# Altium PCB KlusterLab r2.0.PcbDoc (part 14 of 22)
Units mm, origin at the board's own origin, x right, y up, seen from the top; angles counter-clockwise.
Board outline 232 x 250 mm, 12 copper layers (L1 Top, L2 Inner1 (GND), L3 Inner2 (Sig), L4 Inner3 (GND), L5 Inner4 (PWR), L6 Inner5 (PWR), L7 Inner6 (PWR), L8 Inner7 (PWR), L9 Inner8 (GND), L10 Inner9 (Sig), L11 Inner10 (GND), L12 Bottom), stack 1.614 mm thick; 1169 components, 852 nets, 4679 pads, 5115 vias.
Unrouted connection lines stored in the file: 1.
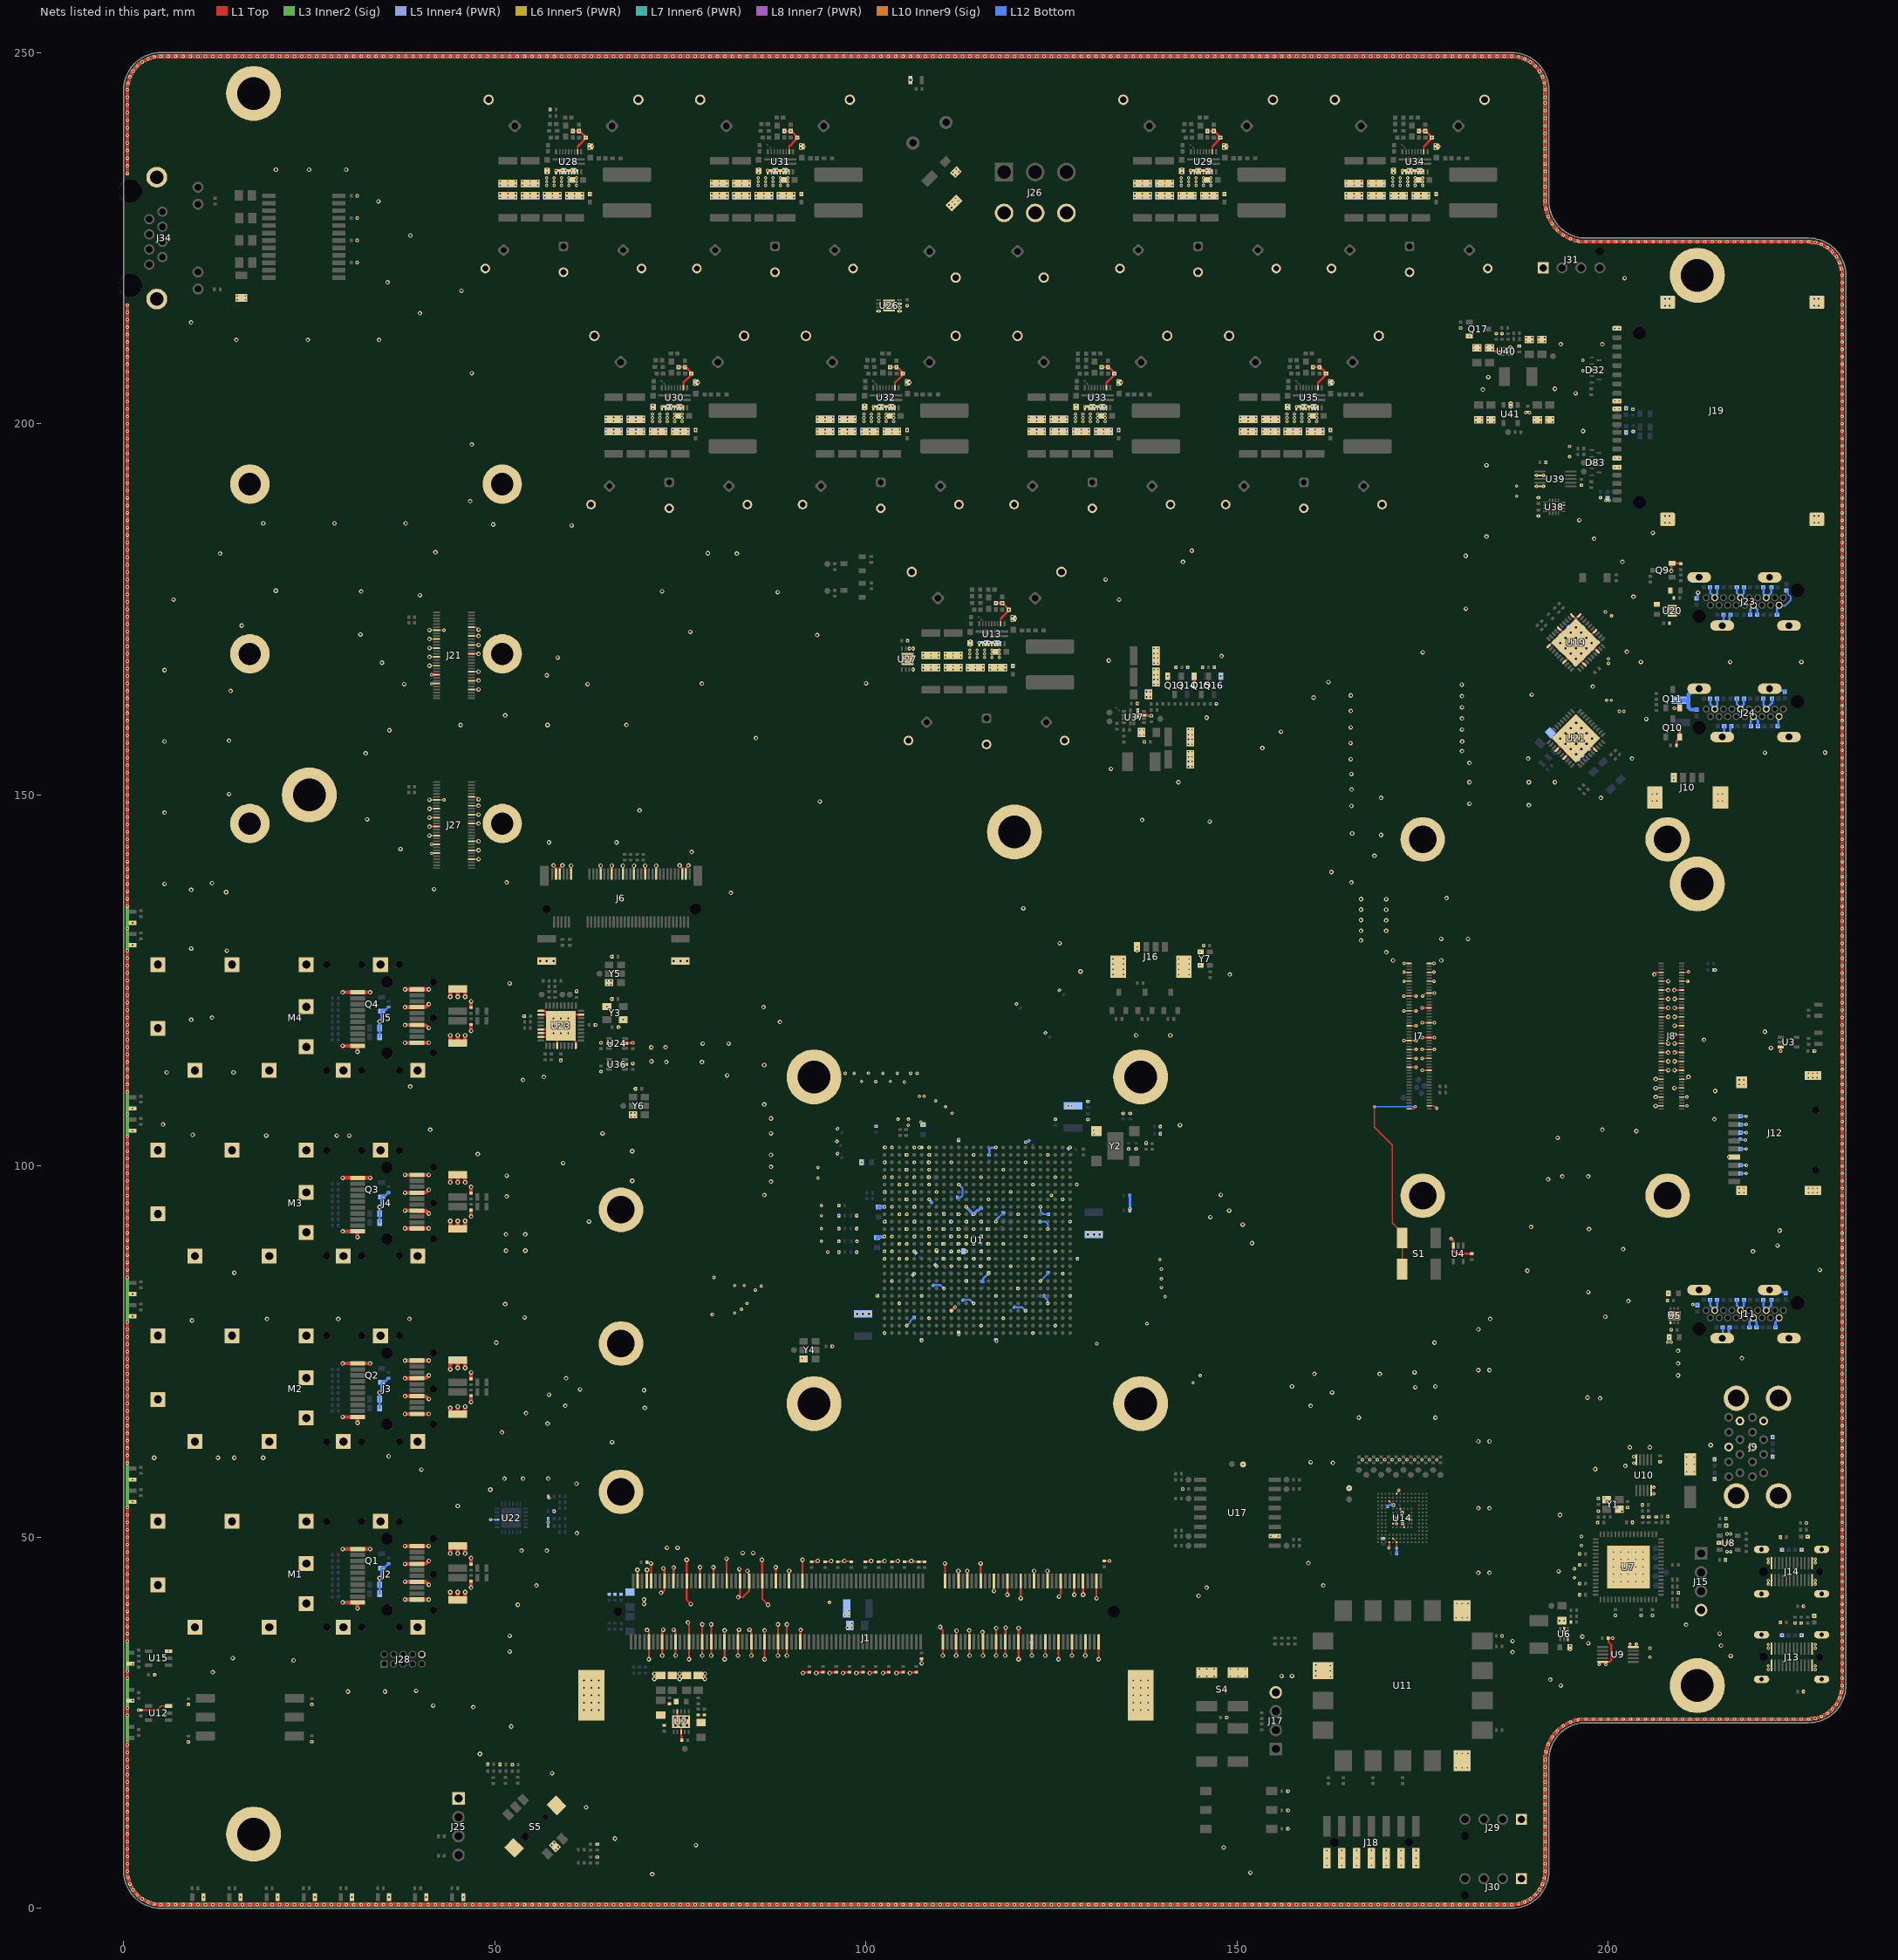
[diagram p24: the nets of this part, all layers, seen from the top]

## Via types
v1: diameter 0.45, hole 0.2, L1 Top to L12 Bottom, tented both sides, 4200 vias
v2: diameter 0.6, hole 0.3, L1 Top to L12 Bottom, tented both sides, 908 vias
v3: diameter 0.4, hole 0.2, L1 Top to L12 Bottom, tented both sides, 7 vias

## Nets (pads, with @x,y where several pads share a name; then routed paths per layer and width w, separated by ;. In a path a pad name is that pad's centre, name@x,y a point inside that pad or via, vN(x,y) a via of type N, cw(c..) or ccw(c..) an arc to the next point about the centre after c; other vN are vias at no path point) (continued)
Global_EN: J7.99 S1.2 S1.4 | length 29.9
  L1 Top w0.15: J7.99@173.15,107.7 173.7,107.7 v1(174,108)
  L1 Top w0.2: v1(168.5,108) 168.5,105.235 170.9,102.835 170.9,92.35 171.625,91.625 172.25,91 S1.2@172.25,90.3 S1.4@172.25,86.1
  L12 Bottom w0.15: v1(168.5,108) v1(174,108)
GND: C1.2 C2.2 C3.2 C4.2 C5.1 C6.2 C7.2 C8.2 C9.2 C10.2 C11.2 C12.2 C13.2 C14.2 C15.1 C16.2 C17.2 C18.2 C19.2 C20.2 C21.2 C22.2 C23.2 C24.2 C25.2 C26.2 C27.2 C28.2 C29.2 C30.2 C31.2 C32.2 C33.2 C34.2 C35.2 C36.2 C37.2 C38.2 C40.2 C41.2 C42.2 C43.2 C44.2 C45.2 C46.2 C47.2 C48.2 C49.2 C50.2 C51.2 C52.2 C53.1 C54.1 C55.2 C56.2 C60.2 C61.2 C62.2 C63.2 C64.2 C65.2 C66.2 C67.2 C68.2 C69.2 C71.2 C72.2 C73.2 C74.2 C75.2 C77.2 C78.2 C79.2 C80.2 C87.2 C88.2 C89.2 C90.2 C91.2 C92.2 C93.2 C94.2 C95.2 C96.2 C97.2 C98.2 C99.2 C100.2 C101.2 C102.2 C103.1 C104.1 C105.1 C106.1 C107.2 C108.2 C109.2 C110.2 C112.1 C113.2 C114.1 C115.2 C116.2 C118.2 C119.2 C120.2 C121.2 C122.2 C123.2 C124.2 C125.2 C126.2 C127.2 C128.2 C129.2 C130.2 C131.2 C132.2 C133.2 C134.2 C135.2 C136.2 C137.2 C138.2 C139.2 C140.2 C141.2 C142.2 C143.2 C144.2 C145.2 C146.2 C147.2 C148.2 C149.2 C150.2 C151.2 C152.2 C153.2 C154.2 C155.1 C156.2 C157.2 C158.1 C159.2 C160.1 C161.1 C162.1 C163.1 C164.1 C165.1 C166.2 C167.2 C168.2 C169.2 C170.2 C171.2 C172.2 C173.2 C174.1 C175.2 C176.1 C177.2 C178.1 C179.2 C180.1 C181.2 C182.2 C183.2 C184.2 C185.2 C186.1 C187.1 C188.1 C193.1 C194.1 C195.1 C196.1 C197.1 C198.1 C199.1 C200.2 C201.2 C202.2 C203.2 C204.2 C205.2 C206.2 C207.2 C208.2 C209.2 C210.2 C211.2 C212.2 C213.2 C214.2 C215.2 C216.2 C217.2 C218.2 C219.2 C220.2 C221.2 C222.2 C223.2 C224.2 C225.2 C226.2 C227.2 C228.2 C229.2 C230.2 C231.2 C232.2 C233.2 C234.2 C235.2 C236.2 C237.2 C238.2 C239.2 C240.2 C241.2 C242.2 C243.2 C244.2 C245.2 C246.2 C247.2 C248.2 C249.2 C250.1 C251.2 C252.1 C253.2 C254.2 C255.2 C256.2 C257.2 C258.2 C259.2 C260.2 C261.2 C262.2 C263.2 C264.2 C265.2 C267.2 C268.2 C269.2 C270.2 C271.2 C272.2 C273.2 C274.2 C275.2 C276.2 C277.2 C278.2 C279.2 C280.2 C281.2 C282.2 C286.2 C287.2 C288.2 C290.2 C291.2 C292.2 C293.2 C294.2 C296.2 C297.2 C298.2 C299.2 C300.2 C302.2 C303.2 C304.2 C306.2 C307.2 C308.2 C309.2 C310.2 C311.2 C312.2 C313.2 C314.2 C315.2 C317.2 C318.2 C319.2 C320.2 C321.2 C323.2 C324.2 C325.2 C326.2 C327.2 C329.2 C330.2 C331.2 C333.2 C334.2 C335.2 C336.2 C337.2 C338.2 C339.2 C340.2 C341.2 C342.2 C344.2 C345.2 C346.2 C347.2 C348.2 C350.2 C351.2 C352.2 C353.2 C354.2 C356.2 C357.2 C358.2 C360.2 C361.2 C362.2 C363.2 C364.2 C365.2 C366.2 C367.2 C368.2 C369.2 C371.2 C372.2 C373.2 C374.2 C375.2 C377.2 C378.2 C379.2 C380.2 C381.2 C383.2 C384.2 C385.2 C387.2 C388.2 C389.2 C390.2 C391.2 C392.2 C393.2 C394.2 C395.2 C396.2 C398.2 C399.2 C400.2 C401.2 C402.2 C404.2 C405.2 C406.2 C407.2 C408.2 C410.2 C411.2 C412.2 C414.2 C415.2 C416.2 C417.2 C418.2 C419.2 C420.2 C421.2 C422.2 C423.2 C424.2 C425.2 C426.2 C427.2 C428.2 C429.2 C430.2 C432.2 C433.2 C434.2 C435.2 C436.2 C438.2 C439.2 C440.2 C441.2 C442.2 C444.2 C445.2 C446.2 C448.2 C449.2 C450.2 C451.2 C452.2 C453.2 C454.2 C455.2 C456.2 C457.2 C459.2 C460.2 C461.2 C462.2 C463.2 C465.2 C466.2 C467.2 C468.2 C469.2 C471.2 C472.2 C473.2 C475.2 C476.2 C477.2 C478.2 C479.2 C480.2 C481.2 C482.2 C483.2 C484.2 C486.2 C487.2 C488.2 C489.2 C490.2 C492.2 C493.2 C494.2 C495.2 C496.2 C498.2 C499.2 C500.2 C502.1 C503.1 C504.1 C505.2 C506.2 C507.2 C508.2 C509.2 C510.2 C512.2 C513.1 C514.2 C515.2 C516.2 C517.2 C518.2 C519.2 C524.2 C525.2 C526.2 C527.2 C528.2 C529.2 C531.2 C532.2 C533.2 C534.2 C535.2 C536.2 C537.2 C538.2 C539.2 C540.2 D3.2 D4.1 D5.1 D6.1 D7.1 D8.1 D9.1 D10.1 D11.1 D12.1 D13.1 D14.1 D15.1 D16.1 D17.1 D18.1 D19.1 D20.1 D21.1 D22.2 D23.1 D24.2 D25.2 D26.1 D27.1 D28.1 D30.1 D31.1 D32.3 D33.2 D34.2 D35.1 D36.1 D38.1 D39.1 D40.1 D41.1 D42.1 D43.1 D44.1 D45.1 D46.1 D47.1 D48.2 D51.1 D52.1 D53.1 D54.1 D55.1 D56.1 D57.1 D58.1 D59.1 D60.1 D61.1 D62.1 D63.1 D64.1 D65.1 D66.1 D67.1 D68.1 D69.1 D70.1 D71.1 D72.2 D73.1 D74.1 D75.2 D76.2 D81.2 D82.2 D83.3 D138.1 D139.1 D140.1 D141.1 D142.1 D143.1 D144.1 D145.1 H1.1 H2.1 H3.1 H4.1 H5.1 H6.1 H7.1 H8.1 H9.1 H10.1 H11.1 H12.1 H13.1 H14.1 H15.1 H16.1 H17.1 H18.1 H19.1 H20.1 H21.1 H22.1 H23.1 H24.1 J1.2 J1.3 J1.8 J1.9 J1.13 J1.14 J1.19 J1.20 J1.25 J1.26 J1.31 J1.32 J1.37 J1.38 J1.43 J1.44 J1.48 J1.49 J1.54 J1.55 J1.60 J1.61 J1.65 J1.66 J1.71 J1.72 J1.127 J1.128 J1.133 J1.134 J1.138 J1.139 J1.144 J1.145 J1.150 J1.151 J1.155 J1.156 J1.161 J1.162 J1.167 J1.168 J1.172 J1.173 J1.178 J1.179 J1.184 J1.185 J1.189 J1.190 J1.195 J1.196 J1.197 J1.201 J1.MT1 J1.MT2 J2.1 J2.10 J2.11 J2.14 J2.17 J2.20 J3.1 J3.10 J3.11 J3.14 J3.17 J3.20 J4.1 J4.10 J4.11 J4.14 J4.17 J4.20 J5.1 J5.10 J5.11 J5.14 J5.17 J5.20 J6.3 J6.5 J6.11 J6.27 J6.33 J6.39 J6.45 J6.51 J6.57 J6.71 J6.73 J7.1 J7.2 J7.7 J7.8 J7.13 J7.14 J7.22 J7.23 J7.32 J7.33 J7.42 J7.43 J7.52 J7.53 J7.59 J7.60 J7.65 J7.66 J7.71 J7.74 J7.98 J8.107 J8.108 J8.113 J8.114 J8.119 J8.120 J8.125 J8.126 J8.131 J8.132 J8.137 J8.138 J8.144 J8.150 J8.155 J8.156 J8.161 J8.162 J8.167 J8.168 J8.173 J8.174 J8.179 J8.180 J8.185 J8.186 J8.191 J8.192 J8.197 J8.198 J9.4 J9.7 J9.13 J9.16 J9.MT J10.0 J10.1 J11.2 J11.5 J11.8 J11.11 J11.17 J11.MT J12.6 J12.10 J12.11 J12.12 J12.13 J13.A1 J13.A12 J13.B1 J13.B12 J13.SH1 J13.SH2 J13.SH3 J13.SH4 J14.A1 J14.A12 J14.B1 J14.B12 J14.SH1 J14.SH2 J14.SH3 J14.SH4 J15.4 J16.0 J16.1 J17.4 J18.1 J18.3 J18.5 J18.7 J18.9 J18.11 J18.13 J19.1 J19.9 J19.10 J19.16 J19.17 J19.MT1 J19.MT2 J19.MT3 J19.MT4 J21.12 J21.13 J21.18 J21.19 J21.24 J21.25 J21.30 J21.31 J21.37 J21.42 J21.43 J21.48 J21.49 J21.54 J23.2 J23.5 J23.8 J23.11 J23.17 J23.MT J24.2 J24.5 J24.8 J24.11 J24.17 J24.MT J25.1 J26.4 J26.5 J26.6 J27.12 J27.13 J27.18 J27.19 J27.24 J27.25 J27.30 J27.31 J27.37 J27.42 J27.43 J27.48 J27.49 J27.54 J28.10 J29.1 J30.1 J31.1 J34.SHD M1.MT M2.MT M3.MT M4.MT Q1.2 Q2.2 Q3.2 Q4.2 Q9.2 Q10.2 Q11.2 Q13.2 Q14.2 Q15.2 Q16.2 Q17.2 R1.2 R4.1 R5.2 R7.2 R10.1 R11.1 R15.2 R26.2 R27.2 R28.1 R37.2 R38.2 R39.1 R48.2 R49.2 R50.1 R59.2 R60.2 R61.1 R68.1 R70.2 R78.1 R80.1 R81.1 R84.1 R85.1 R102.1 R105.1 R110.1 R111.1 R112.1 R132.1 R135.1 R136.1 R138.1 R152.1 R156.1 R157.1 R161.1 R165.1 R170.1 R176.1 R177.1 R181.1 R182.1 R203.1 R204.1 R205.1 R211.1 R218.1 R219.1 R220.2 R226.1 R227.1 R229.1 R233.2 R239.1 R240.1 R241.2 R247.1 R248.1 R249.2 R274.1 R292.1 R293.1 R294.2 R295.1 R296.1 R297.2 R303.1 R304.1 R305.2 R311.1 R312.1 R313.2 R319.1 R320.1 R321.2 R331.1 R332.2 R333.2 R334.2 R335.2 R336.2 R342.1 R343.2 R344.2 S4.1 S4.3 S5.5 S5.MP1 S5.MP2 TP52.1 TP61.1 U1.A1 U1.A2 U1.A5 U1.A6 U1.A7 U1.A16 U1.A26 U1.AA6 U1.AA16 U1.AA26 U1.AB3 U1.AB13 U1.AB23 U1.AC10 U1.AC20 U1.AD7 U1.AD17 U1.AE4 U1.AE14 U1.AE24 U1.AF1 U1.AF11 U1.AF21 U1.B4 U1.B7 U1.B13 U1.B23 U1.C1 U1.C5 U1.C7 U1.C10 U1.C20 U1.D4 U1.D7 U1.D17 U1.E1 U1.E2 U1.E5 U1.E7 U1.E14 U1.E24 U1.F3 U1.F4 U1.F7 U1.F11 U1.F21 U1.G1 U1.G5 U1.G8 U1.G18 U1.H4 U1.H7 U1.H15 U1.H25 U1.J1 U1.J2 U1.J5 U1.J12 U1.J22 U1.K3 U1.K4 U1.K7 U1.K9 U1.K11 U1.K13 U1.K19 U1.L1 U1.L5 U1.L10 U1.L12 U1.L14 U1.L16 U1.L26 U1.M4 U1.M7 U1.M9 U1.M11 U1.M13 U1.M15 U1.M23 U1.N1 U1.N2 U1.N5 U1.N7 U1.N10 U1.N11 U1.N12 U1.N14 U1.N20 U1.P3 U1.P4 U1.P7 U1.P9 U1.P11 U1.P12 U1.P13 U1.P15 U1.P17 U1.R1 U1.R2 U1.R5 U1.R8 U1.R10 U1.R11 U1.R12 U1.R14 U1.R24 U1.T1 U1.T3 U1.T4 U1.T9 U1.T11 U1.T13 U1.T15 U1.T21 U1.U8 U1.U10 U1.U12 U1.U14 U1.U18 U1.V5 U1.V15 U1.V25 U1.W2 U1.W12 U1.W22 U1.Y9 U1.Y19 U2.4 U2.8 U2.11 U3.3 U4.3 U5.1 U5.7 U6.2 U6.6 U7.65 U8.2 U9.5 U9.10 U10.5 U10.10 U11.1 U11.7 U11.14 U12.3 U13.2 U13.11 U13.12 U13.13 U13.14 U13.15 U13.16 U13.17 U13.18 U14.A6 U14.C4 U14.E7 U14.G5 U14.H10 U14.J5 U14.K8 U14.N2 U14.N5 U14.P4 U14.P6 U15.3 U17.10 U19.3 U19.8 U19.14 U19.20 U19.21 U19.26 U19.31 U19.37 U19.41 U20.1 U20.7 U21.24 U21.27 U21.37 U21.41 U22.9 U23.8 U23.19 U23.20 U23.24 U23.25 U23.26 U23.31 U23.36 U23.37 U24.2 U24.5 U26.4 U26.5 U26.6 U26.7 U26.9 U27.4 U27.5 U27.6 U27.9 U28.2 U28.11 U28.12 U28.13 U28.14 U28.15 U28.16 U28.17 U28.18 U29.2 U29.11 U29.12 U29.13 U29.14 U29.15 U29.16 U29.17 U29.18 U30.2 U30.11 U30.12 U30.13 U30.14 U30.15 U30.16 U30.17 U30.18 U31.2 U31.11 U31.12 U31.13 U31.14 U31.15 U31.16 U31.17 U31.18 U32.2 U32.11 U32.12 U32.13 U32.14 U32.15 U32.16 U32.17 U32.18 U33.2 U33.11 U33.12 U33.13 U33.14 U33.15 U33.16 U33.17 U33.18 U34.2 U34.11 U34.12 U34.13 U34.14 U34.15 U34.16 U34.17 U34.18 U35.2 U35.11 U35.12 U35.13 U35.14 U35.15 U35.16 U35.17 U35.18 U36.2 U37.1 U37.11 U38.7 U39.2 U39.5 U40.2 U40.6 U41.2 Y1.2 Y1.4 Y2.2 Y3.2 Y3.4 Y4.3 Y5.3 Y6.3 Y7.1 Y7.2 | length 8020.1
  L1 Top w0.15: v1(185.675,209.75) 185.74,209.815 186.117,209.815 186.487,210.185 186.76,210.185 U40.6@186.825,210.25
  L1 Top w0.2: C148.2@2.3,26.695 4.495,26.695 5.05,27.25 U12.3@6.05,27.25 ; v2(41.2,149.33) 41.205,149.335 42.16,149.335 J27.13@42.165,149.33 v1(43.13,149.33) ; v2(41.2,172.19) 41.205,172.195 42.16,172.195 J21.13@42.165,172.19 v1(43.13,172.19) ; v2(41.203,145.728) 41.208,145.733 J27.31@42.163,145.733 ; v2(41.203,168.588) 41.208,168.593 J21.31@42.163,168.593 ; v2(41.205,144.525) 41.21,144.53 J27.37@42.165,144.53 ; v2(41.205,146.925) 41.21,146.93 J27.25@42.165,146.93 ; v2(41.205,148.125) 41.21,148.13 J27.19@42.165,148.13 ; v2(41.205,167.385) 41.21,167.39 J21.37@42.165,167.39 ; v2(41.205,169.785) 41.21,169.79 J21.25@42.165,169.79 ; v2(41.205,170.985) 41.21,170.99 J21.19@42.165,170.99 ; v1(41.5,142.13) J27.49@42.165,142.13 ; v1(41.5,143.33) J27.43@42.165,143.33 ; v1(41.5,164.99) J21.49@42.165,164.99 ; v1(41.5,166.19) J21.43@42.165,166.19 ; J27.31@42.16,145.735 J27.31@42.163,145.733 ; J21.31@42.16,168.595 J21.31@42.163,168.593 ; J27.31@42.165,145.73 J27.31@42.163,145.733 ; J21.31@42.165,168.59 J21.31@42.163,168.593 ; J27.54@46.835,141.33 46.84,141.335 47.795,141.335 v2(47.8,141.34) ; J27.48@46.835,142.53 46.84,142.535 47.795,142.535 v2(47.8,142.54) ; J27.42@46.835,143.73 46.84,143.735 47.795,143.735 v2(47.8,143.74) ; J27.30@46.835,146.13 46.84,146.135 47.795,146.135 v2(47.8,146.14) ; J27.24@46.835,147.33 46.84,147.335 47.795,147.335 v2(47.8,147.34) ; J27.18@46.835,148.53 46.84,148.535 47.795,148.535 v2(47.8,148.54) ; J27.12@46.835,149.73 46.85,149.715 47.483,149.715 47.798,149.4 v2(47.8,149.4) ; J21.54@46.835,164.19 46.84,164.195 47.795,164.195 v2(47.8,164.2) ; J21.48@46.835,165.39 46.84,165.395 47.795,165.395 v2(47.8,165.4) ; J21.42@46.835,166.59 46.84,166.595 47.795,166.595 v2(47.8,166.6) ; J21.30@46.835,168.99 46.84,168.995 47.795,168.995 v2(47.8,169) ; J21.24@46.835,170.19 46.84,170.195 47.795,170.195 v2(47.8,170.2) ; J21.18@46.835,171.39 46.84,171.395 47.795,171.395 v2(47.8,171.4) ; J21.12@46.835,172.59 46.85,172.575 47.483,172.575 47.798,172.26 v2(47.8,172.26) ; U28.2@61.15,236.65 61.15,237.262 ; 61.237,237.419 61.15,237.332 ; 61.312,237.424 61.15,237.262 ; 61.4,237.652 61.15,237.401 61.15,237.332 ; C195.1@68.599,116.596 v1(68.6,116.597) ; U30.2@75.4,204.85 75.4,205.462 ; 75.487,205.619 75.4,205.532 ; 75.562,205.624 75.4,205.462 ; 75.65,205.852 75.4,205.601 75.4,205.532 ; U31.2@89.65,236.65 89.65,237.262 ; 89.737,237.419 89.65,237.332 ; 89.812,237.424 89.65,237.262 ; 89.9,237.652 89.65,237.401 89.65,237.332 ; U32.2@103.9,204.85 103.9,205.462 ; 103.987,205.619 103.9,205.532 ; 104.062,205.624 103.9,205.462 ; 104.15,205.852 103.9,205.601 103.9,205.532 ; U13.2@118.15,173.05 118.15,173.662 ; 118.237,173.819 118.15,173.732 ; 118.312,173.824 118.15,173.662 ; 118.4,174.052 118.15,173.801 118.15,173.732 ; U33.2@132.4,204.85 132.4,205.462 ; 132.487,205.619 132.4,205.532 ; 132.562,205.624 132.4,205.462 ; 132.65,205.852 132.4,205.601 132.4,205.532 ; U29.2@146.65,236.65 146.65,237.262 ; 146.737,237.419 146.65,237.332 ; 146.812,237.424 146.65,237.262 ; 146.9,237.652 146.65,237.401 146.65,237.332 ; U35.2@160.9,204.85 160.9,205.462 ; 160.987,205.619 160.9,205.532 ; 161.062,205.624 160.9,205.462 ; 161.15,205.852 160.9,205.601 160.9,205.532 ; v1(170.444,48.58) 170.485,48.62 170.485,49.319 U14.P4@170.495,49.329 ; U14.C4@170.495,54.829 v1@170.995,54.329 ; U14.N5@170.995,49.829 U14.P6@171.495,49.329 v1(171.495,48.529) ; U14.J5@170.995,51.829 v1(171.495,51.829) ; U14.G5@170.995,52.829 171.253,52.829 171.495,52.587 v1(171.495,52.529) ; U14.A6@171.495,55.829 171.496,56.03 v1(171.795,56.329) ; U14.E7@171.995,53.829 172.005,53.819 172.005,53.587 172.195,53.397 v1(172.195,53.329) ; v1(172.295,51.829) 172.295,51.761 172.485,51.571 172.485,51.339 U14.K8@172.495,51.329 ; v1(172.459,116.9) J7.53@173.4,116.9 ; v1(172.459,120.9) J7.33@173.4,120.9 ; v1(172.459,122.9) J7.23@173.4,122.9 ; v1(172.5,124.9) J7.13@173.15,124.9 ; v1(172.5,126.1) J7.7@173.15,126.1 ; v1(172.5,127.3) J7.1@173.15,127.3 ; v1(172.895,52.529) 172.963,52.529 173.153,52.339 173.485,52.339 U14.H10@173.495,52.329 ; J7.71@173.15,113.3 v1(174.091,113.3) ; J7.65@173.15,114.5 v1(174.091,114.5) ; J7.59@173.15,115.7 v1(174.091,115.7) ; J7.53@173.15,116.9 v1(174.091,116.9) ; J7.43@173.15,118.9 v1(174.091,118.9) ; J7.33@173.15,120.9 v1(174.091,120.9) ; J7.23@173.15,122.9 v1(174.091,122.9) ; v1(174.939,112.9) J7.74@175.88,112.9 ; v1(174.939,114.5) J7.66@175.88,114.5 ; v1(174.939,115.7) J7.60@175.88,115.7 ; v1(174.939,117.3) J7.52@175.88,117.3 ; v1(174.939,119.3) J7.42@175.88,119.3 ; v1(174.939,121.3) J7.32@175.88,121.3 ; v1(175,122.9) 175.4,123.3 J7.22@175.88,123.3 ; U34.2@175.15,236.65 175.15,237.262 ; 175.237,237.419 175.15,237.332 ; 175.312,237.424 175.15,237.262 ; 175.4,237.652 175.15,237.401 175.15,237.332 ; J7.60@175.63,115.7 v1(176.571,115.7) ; J7.52@175.63,117.3 v1(176.571,117.3) ; J7.42@175.63,119.3 v1(176.571,119.3) ; J7.98@175.88,108.1 176.533,108.1 176.832,107.8 v1(176.9,107.8) ; J7.22@175.88,123.3 v1(176.571,123.3) ; J7.14@175.88,124.9 v1(176.53,124.9) ; J7.8@175.88,126.1 v1(176.53,126.1) ; J7.2@175.88,127.3 v1(176.53,127.3) ; v1(193.3,188.9) 193.368,188.9 193.468,189 U38.7@193.9,189 ; v2(206.2,125.8) 206.202,125.8 206.502,126.1 J8.107@207.15,126.1 ; v2(206.4,108.1) J8.197@207.15,108.1 ; v2(206.4,109.3) J8.191@207.15,109.3 ; v2(206.4,110.5) J8.185@207.15,110.5 ; v2(206.4,111.7) J8.179@207.15,111.7 ; J8.173@207.15,112.9 v2(208.091,112.9) ; J8.167@207.15,114.1 v2(208.091,114.1) ; J8.161@207.15,115.3 v2(208.091,115.3) ; J8.155@207.15,116.5 v2(208.091,116.5) ; J8.137@207.15,120.1 v2(208.091,120.1) ; J8.131@207.15,121.3 v2(208.091,121.3) ; J8.125@207.15,122.5 v2(208.091,122.5) ; J8.119@207.15,123.7 v2(208.091,123.7) ; J8.113@207.15,124.9 v2(208.091,124.9) ; v2(208.9,110.5) J8.186@209.88,110.5 ; v2(208.9,123.7) J8.120@209.88,123.7 ; v2(208.939,112.9) J8.174@209.88,112.9 ; v2(208.939,114.1) J8.168@209.88,114.1 ; v2(208.939,115.3) J8.162@209.88,115.3 ; v2(208.939,116.5) J8.156@209.88,116.5 ; v2(208.939,117.7) J8.150@209.88,117.7 ; v2(208.939,118.9) J8.144@209.88,118.9 ; v2(208.939,120.1) J8.138@209.88,120.1 ; v2(208.939,121.3) J8.132@209.88,121.3 ; v2(208.939,122.5) J8.126@209.88,122.5 ; J8.198@209.88,108.1 v1(210.6,108.1) ; J8.192@209.88,109.3 v1(210.6,109.3) ; J8.180@209.88,111.7 210.498,111.7 210.798,112 v2(210.8,112) ; J8.114@209.88,124.9 v1(210.7,124.9) ; J8.108@209.88,126.1 210.609,126.1 210.692,126.183 v1(210.8,126.183) ; 61.15,237.262 61.15,237.332 ; 75.4,205.462 75.4,205.532 ; 89.65,237.262 89.65,237.332 ; 103.9,205.462 103.9,205.532 ; 118.15,173.662 118.15,173.732 ; 132.4,205.462 132.4,205.532 ; 146.65,237.262 146.65,237.332 ; 160.9,205.462 160.9,205.532 ; 175.15,237.262 175.15,237.332
  L1 Top w0.249: v2(69.2,45.6) 69.225,45.575 69.225,44.125 J1.201@69.25,44.1 ; J1.197@70.45,44.1 70.475,44.125 70.475,45.575 v2(70.5,45.6) ; v2(70.5,37.5) 70.75,37.25 J1.196@70.75,35.9 v2(70.75,33.55) ; J1.195@71.05,44.1 v2(71.05,46.45) ; v2(72.4,42.5) 72.495,42.5 72.721,42.727 72.726,42.727 72.85,42.85 J1.189@72.85,44.1 72.85,45.555 72.7,45.705 v2(72.7,45.8) ; v2(72.55,34.05) J1.190@72.55,35.9 72.55,37.296 72.693,37.439 v2(72.693,37.534) ; J1.185@74.05,44.1 74.075,44.125 74.075,45.875 v2(74.1,45.9) ; v2(74.107,37.534) 74.107,37.469 74.35,37.226 J1.184@74.35,35.9 v2(74.35,34.05) ; v2(75.85,46.95) J1.179@75.85,44.1 75.85,41.55 v2(76.4,41) ; v2(76,38.5) 76.15,38.35 J1.178@76.15,35.9 v2(76.15,33.55) ; J1.173@77.65,44.1 v2(77.65,45.95) ; v2(77.95,34.05) J1.172@77.95,35.9 v2(77.95,38.25) ; v2(79.15,34.05) J1.168@79.15,35.9 v2(79.15,38.25) ; J1.167@79.45,44.1 v2(79.45,45.95) ; v2(80.95,33.55) v2(80.95,37.45) ; v2(81.2,47.1) 81.225,47.075 81.225,44.125 J1.161@81.25,44.1 ; v2(82.75,34.05) J1.156@82.75,35.9 82.75,37.296 82.893,37.439 v2(82.893,37.534) ; v2(82.944,45.7) 83,45.645 83,44.151 J1.155@83.05,44.1 83.05,42.245 82.8,41.995 v2(82.8,41.9) 83.4,41.9 84.25,42.75 J1.151@84.25,44.1 ; v2(84.023,45.448) 84.023,45.353 84.2,45.176 J1.151@84.2,44.15 ; v2(84.307,37.534) 84.307,37.469 84.55,37.226 J1.150@84.55,35.9 v2(84.55,34.05) ; v2(85.977,46.95) 86.014,46.914 J1.145@86.014,44.138 ; J1.145@86.05,44.1 86.05,41.65 v2(86.8,40.9) ; v2(86.35,33.55) J1.144@86.35,35.9 v2(86.35,37.45) ; J1.139@87.85,44.1 v2(87.85,45.95) ; v2(88.15,34.05) J1.138@88.15,35.9 v2(88.15,38.25) ; v2(89.35,34.05) J1.134@89.35,35.9 v2(89.35,38.25) ; J1.133@89.65,44.1 v2(89.65,45.45) ; J1.128@91.15,35.9 91.175,35.925 91.175,37.475 v2(91.2,37.5) ; J1.127@91.45,44.1 v2(91.45,46.95) ; v2(110,37.9) 110,37.805 110.35,37.455 J1.72@110.35,35.9 v2(110.35,34.05) ; J1.71@110.65,44.1 v2(110.65,46.45) ; v2(112.15,34.05) J1.66@112.15,35.9 112.175,35.925 112.175,37.375 v2(112.2,37.4) ; J1.65@112.45,44.1 v2(112.45,45.45) ; J1.61@113.65,44.1 v2(113.65,45.45) ; v2(113.9,37.45) 113.925,37.425 113.925,35.925 J1.60@113.95,35.9 v2(113.95,34.05) ; J1.55@115.45,44.1 v2(115.45,46.45) ; J1.54@115.7,35.9 115.725,35.925 115.725,37.175 v2(115.7,37.2) ; v2(115.75,34.05) 115.75,35.4 J1.54@115.75,35.9 ; v2(117.25,42.75) J1.49@117.25,44.1 ; v2(117.55,34.05) J1.48@117.55,35.9 v2(117.55,37.75) ; v2(118.75,34.05) J1.44@118.75,35.9 118.788,35.938 118.788,37.773 v2(118.826,37.811) ; v2(119.05,42.25) J1.43@119.05,44.1 ; v2(120.55,33.55) v2(120.55,37.75) ; v2(120.85,41.75) J1.37@120.85,44.1 ; v2(122.35,34.05) J1.32@122.35,35.9 ; J1.31@122.65,43.6 J1.31@122.65,44.1 v2(122.65,45.45) ; v2(124.15,34.05) J1.26@124.15,35.9 ; J1.25@124.45,44.1 v2(124.45,45.45) ; v2(125.95,33.55) J1.20@125.95,35.9 ; v2(126,42) 126,42.095 126.25,42.345 J1.19@126.25,44.1 ; v2(127.75,34.05) J1.14@127.75,35.9 ; v2(128.05,42.25) J1.13@128.05,44.1 ; v2(129.25,42.25) J1.9@129.25,44.1 ; v2(129.55,34.05) J1.8@129.55,35.9 ; v2(131.05,41.75) J1.3@131.05,44.1 ; v2(131.35,33.55) J1.2@131.35,35.9
  L1 Top w0.25: v2(74.3,25.65) 74.4,25.65 74.6,25.85 U2.4@74.6,26.55 ; v2(75.1,24.65) U2.8@75.1,23.75 75.1,23.2 75.14,23.16 75.14,22.715 C5.1@75.205,22.65 ; v2(97.1,46.8) 97.153,46.748 97.948,46.748 C35.2@98,46.695 ; v2@107.5,33 R11.1@107.5,33.605 R11.1@107.502,33.603 ; C16.2@132.1,46.795 132.103,46.798 132.798,46.798 v1(132.8,46.8) ; v1(198.801,32.837) 198.801,33.199 198.802,33.2 199.234,33.2 U9.5@199.666,33.2 ; v1(199.667,32.837) 199.667,33.199 U9.5@199.666,33.2 ; v1(200.6,36.4) C143.2@200,36.4 200,35.9 200.4,35.5 200.4,33.4 200.2,33.2 U9.5@199.666,33.2 ; v1(202.933,35.564) 202.933,35.202 202.934,35.2 203.366,35.2 203.798,35.2 203.799,35.202 v1(203.799,35.564) ; v1(203.423,59.983) 203.785,59.983 203.786,59.984 U10.5@203.786,60.416 203.786,60.848 203.785,60.849 v1(203.423,60.849) ; v1(206.15,55.85) 205.788,55.85 205.786,55.851 U10.10@205.786,56.283 205.786,56.715 205.788,56.716 v1(206.15,56.716)